# Altium PCB MOTHER_BOARD_LS1021_v1.0.PcbDoc (part 9 of 15)
Units mm, origin at the board's own origin, x right, y up, seen from the top; angles counter-clockwise.
Board outline 285 x 90.6 mm, 10 copper layers (TOP, GND1, SIGNAL1, GND+PWR1, POWER1, POWER2, GND+PWR2, SIGNAL2, GND2, BOTTOM), stack 1.739 mm thick; 1099 components, 832 nets, 4657 pads, 2737 vias.
Unrouted connection lines stored in the file: 7.
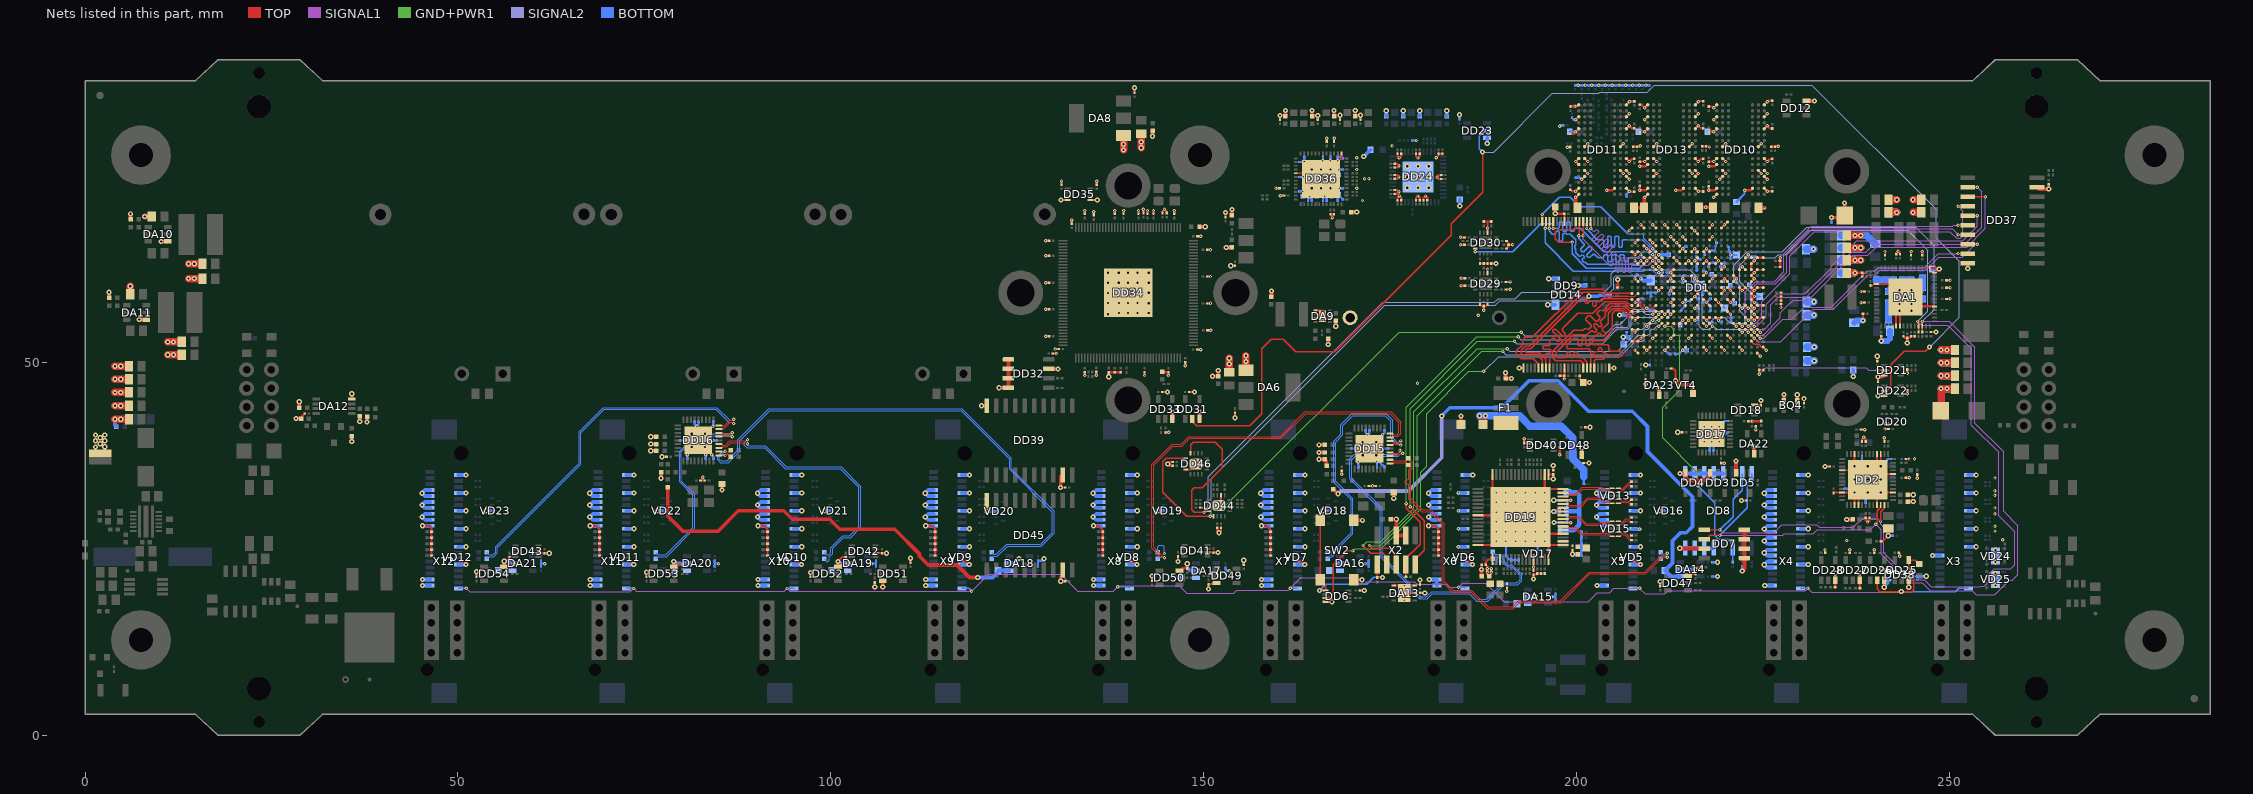
[diagram p17: the nets of this part, all layers, seen from the top]

## Via types
v1: diameter 0.45, hole 0.2, TOP to BOTTOM, tented both sides, 1587 vias
v2: diameter 0.7, hole 0.3, TOP to BOTTOM, tented both sides, 1134 vias
v3: diameter 0.45, hole 0.2, TOP to BOTTOM, tented bottom, 16 vias

## Nets (pads, with @x,y where several pads share a name; then routed paths per layer and width w, separated by ;. In a path a pad name is that pad's centre, name@x,y a point inside that pad or via, vN(x,y) a via of type N, cw(c..) or ccw(c..) an arc to the next point about the centre after c; other vN are vias at no path point) (continued)
GND: (continued)
  BOTTOM w0.5: v2(4,42.375) 4,41.575 R15.2@4.2,41.375 ; v2(45.25,20.1) X12.1@46.275,20.1 ; v2(45.25,20.9) X12.3@46.275,20.9 ; v2(45.25,28.1) X12.21@46.275,28.1 ; X12.23@46.275,28.9 45.55,28.9 v2(45.175,29.275) 45.6,29.7 X12.25@46.275,29.7 ; X12.27@46.275,30.5 45.55,30.5 v2(45.175,30.875) 45.6,31.3 X12.29@46.275,31.3 ; X12.31@46.275,32.1 45.55,32.1 v2(45.175,32.475) 45.6,32.9 X12.33@46.275,32.9 ; X12.10@50.05,22.9 v2(51.075,22.9) ; X12.16@50.075,25.3 v2(51.1,25.3) ; X12.22@50.075,27.7 v2(51.1,27.7) ; X12.28@50.075,30.1 v2(51.1,30.1) ; X12.34@50.075,32.5 v2(51.1,32.5) ; X12.40@50.075,34.9 v2(51.1,34.9) ; v2(53.75,30.1) VD23.3@54.525,30.1 ; v2(56.2,23.35) 57.025,23.35 DA21.2@57.325,23.05 ; v2(67.75,20.1) X11.1@68.775,20.1 ; v2(67.75,20.9) X11.3@68.775,20.9 ; v2(67.75,28.1) X11.21@68.775,28.1 ; X11.23@68.775,28.9 68.05,28.9 v2(67.675,29.275) 68.1,29.7 X11.25@68.775,29.7 ; X11.27@68.775,30.5 68.05,30.5 v2(67.675,30.875) 68.1,31.3 X11.29@68.775,31.3 ; X11.31@68.775,32.1 68.05,32.1 v2(67.675,32.475) 68.1,32.9 X11.33@68.775,32.9 ; X11.10@72.55,22.9 v2(73.575,22.9) ; X11.16@72.575,25.3 v2(73.6,25.3) ; X11.22@72.575,27.7 v2(73.6,27.7) ; X11.28@72.575,30.1 v2(73.6,30.1) ; X11.34@72.575,32.5 v2(73.6,32.5) ; X11.40@72.575,34.9 v2(73.6,34.9) ; v2(76.725,30.1) VD22.3@77.5,30.1 ; v2(78.95,23.325) 79.225,23.05 DA20.2@80.725,23.05 ; v2(90.25,20.1) X10.1@91.275,20.1 ; v2(90.25,20.9) X10.3@91.275,20.9 ; v2(90.25,28.1) X10.21@91.275,28.1 ; X10.23@91.275,28.9 90.55,28.9 v2(90.175,29.275) 90.6,29.7 X10.25@91.275,29.7 ; X10.27@91.275,30.5 90.55,30.5 v2(90.175,30.875) 90.6,31.3 X10.29@91.275,31.3 ; X10.31@91.275,32.1 90.55,32.1 v2(90.175,32.475) 90.6,32.9 X10.33@91.275,32.9 ; X10.10@95.05,22.9 v2(96.075,22.9) ; X10.16@95.075,25.3 v2(96.1,25.3) ; X10.22@95.075,27.7 v2(96.1,27.7) ; X10.28@95.075,30.1 v2(96.1,30.1) ; X10.34@95.075,32.5 v2(96.1,32.5) ; X10.40@95.075,34.9 v2(96.1,34.9) ; v2(99.15,30.1) VD21.3@99.925,30.1 ; v2(100.975,23.325) 101.25,23.05 DA19.2@102.275,23.05 ; v2(112.75,20.1) X9.1@113.775,20.1 ; v2(112.75,20.9) X9.3@113.775,20.9 ; v2(112.75,28.1) X9.21@113.775,28.1 ; X9.23@113.775,28.9 113.05,28.9 v2(112.675,29.275) 113.1,29.7 X9.25@113.775,29.7 ; X9.27@113.775,30.5 113.05,30.5 v2(112.675,30.875) 113.1,31.3 X9.29@113.775,31.3 ; X9.31@113.775,32.1 113.05,32.1 v2(112.675,32.475) 113.1,32.9 X9.33@113.775,32.9 ; X9.10@117.55,22.9 v2(118.575,22.9) ; X9.16@117.575,25.3 v2(118.6,25.3) ; X9.22@117.575,27.7 v2(118.6,27.7) ; X9.28@117.575,30.1 v2(118.6,30.1) ; X9.34@117.575,32.5 v2(118.6,32.5) ; X9.40@117.575,34.9 v2(118.6,34.9) ; v2(120.925,30.025) 120.95,30.05 VD20.3@122.15,30.05 ; DA18.2@123.95,23.05 124.6,23.05 v2(125.25,23.7) ; v2(135.25,20.1) X8.1@136.275,20.1 ; v2(135.25,20.9) X8.3@136.275,20.9 ; v2(135.25,28.1) X8.21@136.275,28.1 ; X8.23@136.275,28.9 135.55,28.9 v2(135.175,29.275) 135.6,29.7 X8.25@136.275,29.7 ; X8.27@136.275,30.5 135.55,30.5 v2(135.175,30.875) 135.6,31.3 X8.29@136.275,31.3 ; X8.31@136.275,32.1 135.55,32.1 v2(135.175,32.475) 135.6,32.9 X8.33@136.275,32.9 ; X8.10@140.05,22.9 v2(141.075,22.9) ; X8.16@140.075,25.3 v2(141.1,25.3) ; X8.22@140.075,27.7 v2(141.1,27.7) ; X8.28@140.075,30.1 v2(141.1,30.1) ; X8.34@140.075,32.5 v2(141.1,32.5) ; X8.40@140.075,34.9 v2(141.1,34.9) ; v2(143.925,30.1) VD19.3@144.7,30.1 ; v2(147.8,23) 147.8,22.5 148.2,22.1 DA17.2@149,22.1 ; v2(157.75,20.1) X7.1@158.775,20.1 ; v2(157.75,20.9) X7.3@158.775,20.9 ; v2(157.75,28.1) X7.21@158.775,28.1 ; X7.23@158.775,28.9 158.05,28.9 v2(157.675,29.275) 158.1,29.7 X7.25@158.775,29.7 ; X7.27@158.775,30.5 158.05,30.5 v2(157.675,30.875) 158.1,31.3 X7.29@158.775,31.3 ; X7.31@158.775,32.1 158.05,32.1 v2(157.675,32.475) 158.1,32.9 X7.33@158.775,32.9 ; X7.10@162.55,22.9 v2(163.575,22.9) ; X7.16@162.575,25.3 v2(163.6,25.3) ; X7.22@162.575,27.7 v2(163.6,27.7) ; X7.28@162.575,30.1 v2(163.6,30.1) ; X7.34@162.575,32.5 v2(163.6,32.5) ; X7.40@162.575,34.9 v2(163.6,34.9) ; v2(164.5,73.375) 165.175,72.7 C414.1@165.175,72.275 ; v2(165.975,30.1) VD18.3@166.75,30.1 ; v2(167,73.375) 167.15,73.225 C415.1@167.15,72.275 167.425,72.55 C413.1@168.1,72.55 ; v2(167,74.625) 167.525,74.625 C416.1@168.1,75.2 ; DA16.2@168.3,23.05 v2(169.25,23.05) ; v2(171.475,77.625) R236.2@172.375,78.525 ; C337.1@174.5,83.025 v2(174.5,83.75) ; C338.1@176.775,83.025 v2(176.775,83.75) ; C336.1@178.975,83.025 v2(178.975,83.75) ; v2(180.175,28.1) X6.21@181.275,28.1 ; v2(180.25,20.9) X6.3@181.275,20.9 X6.1@181.275,20.1 ; X6.23@181.275,28.9 180.55,28.9 v2(180.175,29.275) 180.6,29.7 X6.25@181.275,29.7 ; X6.27@181.275,30.5 180.55,30.5 v2(180.175,30.875) 180.6,31.3 X6.29@181.275,31.3 ; X6.31@181.275,32.1 180.55,32.1 v2(180.175,32.475) 180.6,32.9 X6.33@181.275,32.9 ; C339.1@182.6,83.025 v2(182.6,83.75) ; v1(184.15,25.3) X6.16@185.075,25.3 ; v1(184.15,32.5) X6.34@185.075,32.5 ; v1(184.175,27.7) X6.22@185.075,27.7 ; v1(184.175,30.1) X6.28@185.075,30.1 ; v2(184.35,71) R230.2@184.35,71.875 ; X6.10@185.05,22.9 v2(186.075,22.9) ; X6.40@185.075,34.9 v2(186.1,34.9) ; v2(188.025,79.35) DD23.3@188.025,80.15 ; DA15.2@193.475,18.6 194.479,18.6 v2(194.48,18.599) ; v2(196.15,57.75) C130.1@197.175,57.75 ; v2(196.275,61.225) DD9.3@197.25,61.225 ; v2(196.95,30.025) C319.1@197.65,30.025 ; v2(200.25,60.325) R91.1@201.175,60.325 ; v2(201.685,58.877) 202.927,58.877 203.075,59.025 C115.1@204.45,59.025 ; v2(202.75,20.1) X5.1@203.775,20.1 ; X5.21@203.775,28.1 X5.23@203.775,28.9 203.05,28.9 v2(202.675,29.275) 203.1,29.7 X5.25@203.775,29.7 ; X5.27@203.775,30.5 203.05,30.5 v2(202.675,30.875) 203.1,31.3 X5.29@203.775,31.3 ; X5.31@203.775,32.1 203.05,32.1 v2(202.675,32.475) 203.1,32.9 X5.33@203.775,32.9 ; v2(205.76,56.353) 205.75,56.363 205.75,56.375 206.4,56.375 C114.1@206.5,56.475 ; C140.1@206.35,52.45 206.275,52.525 v2(206.275,53.4) C126.1@206.975,53.4 ; X5.10@207.55,22.9 v2(208.575,22.9) ; X5.16@207.575,25.3 v2(208.6,25.3) ; X5.22@207.575,27.7 207.65,27.625 v1(208.5,27.625) ; X5.28@207.575,30.1 v2(208.6,30.1) ; X5.34@207.575,32.5 v2(208.6,32.5) ; X5.40@207.575,34.9 v2(208.6,34.9) ; v1(208.65,61.25) 208.9,61 C93.1@209.975,61 ; v1@211.075,64.45 C113.1@212.35,64.45 ; v2(211.15,30.1) VD16.3@211.925,30.1 ; v2(213.85,25.1) DD8.8@214.605,25.1 DD8.7@215.875,25.1 DD8.6@217.145,25.1 DD8.5@218.415,25.1 ; v2(213.875,35.1) DD8.9@214.605,35.1 DD8.10@215.875,35.1 DD8.11@217.145,35.1 DD8.12@218.415,35.1 DD8.13@219.685,35.1 ; DA14.2@213.925,22.25 v2(215.95,22.25) ; v1(214.25,51.65) R176.2@214.825,51.65 ; v2(225.25,20.1) X4.1@226.275,20.1 ; X4.7@226.275,22.5 225.55,22.5 v2(225.175,22.875) 225.6,23.3 X4.9@226.275,23.3 ; X4.11@226.275,24.1 225.55,24.1 v2(225.175,24.475) 225.6,24.9 X4.13@226.275,24.9 ; X4.15@226.275,25.7 225.55,25.7 v2(225.175,26.075) 225.6,26.5 X4.17@226.275,26.5 ; X4.19@226.275,27.3 225.55,27.3 v2(225.175,27.675) 225.6,28.1 X4.21@226.275,28.1 ; X4.23@226.275,28.9 225.55,28.9 v2(225.175,29.275) 225.6,29.7 X4.25@226.275,29.7 ; X4.27@226.275,30.5 225.55,30.5 v2(225.175,30.875) 225.6,31.3 X4.29@226.275,31.3 ; X4.31@226.275,32.1 225.55,32.1 v2(225.175,32.475) 225.6,32.9 X4.33@226.275,32.9 ; X4.10@230.05,22.9 v2(231.075,22.9) ; X4.16@230.075,25.3 v2(231.1,25.3) ; X4.22@230.075,27.7 v2(231.1,27.7) ; X4.28@230.075,30.1 v2(231.1,30.1) ; X4.34@230.075,32.5 v2(231.1,32.5) ; X4.40@230.075,34.9 v2(231.1,34.9) ; v2(237.125,48.125) C154.1@237.125,49 ; v2(241.8,26.75) C191.1@241.8,27.725 ; C57.2@247.7,62.525 v2(248.65,62.525) ; v2(247.75,24.1) X3.11@248.775,24.1 ; X3.16@252.575,25.3 v2(253.6,25.3) ; X3.22@252.575,27.7 v2(253.6,27.7) ; X3.28@252.575,30.1 v2(253.6,30.1) ; X3.34@252.575,32.5 v2(253.6,32.5) ; X3.40@252.575,34.9 v2(253.6,34.9)
  BOTTOM w0.75: C131.1@237.25,55.325 237.55,55.625 v2(238.425,55.625) ; v2(240.875,52.875) 241.725,52.875 242.05,53.2 C180.1@242.05,54.225
  BOTTOM w1: C102.1@230.8,65.2 v2(231.8,65.2) ; C101.1@230.85,56.35 v2(231.85,56.35) ; C189.2@230.85,58.15 v2(231.85,58.15) ; C100.2@230.9,50.2 v2(231.9,50.2) ; C157.1@230.9,52.075 v2(231.9,52.075) ; C171.2@235.5,62 v2(237.35,62) ; C159.2@235.5,63.7 v2(237.35,63.7) ; C181.2@235.5,65.375 v2(237.35,65.375) v2(238.125,65.375) ; C146.2@235.5,67.025 v2(237.35,67.025) v2(238.125,67.025) 238.95,67.025 C92.2@240.1,65.875 ; C59.1@240.2,61.05 C58.1@241.375,61.05 C22.1@242.55,61.05 242.55,59.7 ; C61.1@241.85,55.7 C60.1@241.85,56.85 ; C23.1@241.85,58.025 C60.1@241.85,56.85 ; C13.1@241.85,59.525 242.025,59.7 242.55,59.7 ; C166.2@241.85,70.125 v2(242.95,70.125) ; v2(243.325,57.85) v2(243.325,56.925) 243.25,56.85 C60.1@241.85,56.85 ; v2(243.325,59.7) 242.55,59.7 ; C12.1@243.7,61.05 C24.1@244.875,61.05 244.925,61 v2(244.925,59.7) 246.075,59.7 C11.1@246.4,60.025 C21.1@246.4,61.35 ; v2(244.925,57.85) 245.6,58.525 C2.1@246.4,58.525 ; v2(248.9,46.5) v2(249.675,46.5) C186.1@250.775,46.5 ; v2(248.9,48.225) v2(249.675,48.225) C44.1@250.775,48.225 ; v2(248.9,49.95) C47.1@250.775,49.95 ; v2(248.9,51.675) C49.1@250.775,51.675
  other v1: 176.925,18.125 176.35,19.075 191.85,26.025 193.15,26.025 236.271,26.13 257.15,26.225 189.25,27.325 256.125,27.4 256.125,28.05 189.25,28.625 195.75,28.625 256.125,29.725 151.6,30.325 152.55,30.325 256.125,30.475 189.25,31.225 195.75,31.225 151.6,31.275 152.55,31.275 256.125,32.175 189.25,32.525 190.55,32.525 191.85,32.525 193.15,32.525 194.45,32.525 256.125,32.8 256.125,34.5 148.525,36.875 149.475,36.875 245.331,37.108 172.25,38.45 217.125,39.4 219.125,39.4 82.25,39.55 217.125,40.4 218.125,40.4 217.125,41.4 218.125,41.4 178.687,47.208 165.95,55.65 186.827,56.346 223.85,62.05 171.3,71.725 170.525,73.35 171.585,74.625 172.175,74.625 170.55,75.875 170.55,77.475 175.266,79.083
  other v2: 256.2,20.1 256.2,21.7 256.2,23.225 256.2,24.825 237.3,34.3 240.8,34.3 171.35,37.55 173.15,37.55 81.35,38.65 83.15,38.65 1.4,38.675 2.65,38.7 2.025,39.1 171.308,39.302 173.15,39.35 1.4,39.5 2.65,39.5 2.025,39.9 1.4,40.275 2.65,40.275 81.35,40.45 83.15,40.45 137.175,56.475 138.65,56.625 139.875,56.625 141.125,56.625 142.65,56.625 244.925,56.925 142.65,57.95 137.175,57.975 138.65,57.975 139.875,57.975 141.125,57.975 137.175,59.325 138.65,59.325 139.875,59.325 141.125,59.325 142.65,59.35 137.175,60.675 138.625,60.675 139.875,60.675 141.125,60.675 142.65,60.675 137.175,62.025 138.625,62.025 139.875,62.025 141.125,62.025 142.65,62.025 165.75,73.375 177.3,73.425 178.75,73.425 180.2,73.425 164.5,74.625 177.3,74.875 178.75,74.875 180.2,74.875 164.5,75.875 165.75,75.875 167,75.875 177.3,76.325 178.75,76.325 180.2,76.325
  other v3: 190.55,27.325 191.85,27.325 193.15,27.325 190.55,28.625 191.85,28.625 193.15,28.625 194.45,28.625 190.55,29.925 191.85,29.925 193.15,29.925 194.45,29.925 190.55,31.225 191.85,31.225 193.15,31.225 194.45,31.225
GPIO: DD25.4 DD26.2 R238.2 X3.2 X4.2 X5.2 X6.2 X7.2 X8.2 X9.2 X10.2 X11.2 X12.2 | length 231.6
  TOP w0.196: DD26.2@240.325,20.8 240.325,19.632 240.682,19.275 v2(243.55,19.275) 244.968,19.275 245.237,19.544 245.237,21.643 244.575,22.305 DD25.4@244.575,23.5 245.425,23.5 R238.2@245.975,22.95
  SIGNAL1 w0.113: v1(51.115,19.699) 51.575,19.239 73.135,19.239 v1(73.593,19.697) 73.941,19.349 93.795,19.349 v1(94.139,19.693) 94.518,19.315 v1(118.881,19.315) 121.166,21.6 130.825,21.6 133.12,19.305 137.91,19.305 v1(138.507,19.901) 138.678,20.072 146.716,20.072 147.707,19.081 154.038,19.081 154.441,19.484 161.426,19.484 v1(161.641,19.699) 163.042,21.1 170.132,21.1 170.882,20.35 171.625,20.35 171.9,20.625 178.275,20.625 178.65,20.25 182.575,20.25 182.949,19.876 v1(184.184,19.876) 184.725,20.417 187.856,20.417 190.351,17.922 201.615,17.922 202.818,19.125 204.446,19.125 205.021,19.7 v1(208.5,19.7) 208.5,19.675 209.207,18.968 211.857,18.968 212.254,19.365 230.708,19.365 v1(231.043,19.7) 231.524,19.218 243.493,19.218 v2(243.55,19.275)
  BOTTOM w0.196: X12.2@50.075,19.7 v1(51.115,19.699) ; X11.2@72.575,19.7 73.59,19.7 v1(73.593,19.697) ; v1(94.139,19.693) 94.146,19.7 X10.2@95.075,19.7 ; X9.2@117.575,19.7 118.495,19.7 v1(118.881,19.315) ; v1(138.507,19.901) 139.874,19.901 X8.2@140.075,19.7 ; v1@161.642,19.7 X7.2@162.575,19.7 ; v1(184.184,19.876) 184.899,19.876 X6.2@185.075,19.7 ; X5.2@207.575,19.7 v1(208.5,19.7) ; X4.2@230.075,19.7 v1(231.043,19.7) ; v2(243.55,19.275) 250.828,19.275 251.253,19.7 X3.2@252.575,19.7
GPOUT1: DD1.W5 DD37.2 | length 46.8
  TOP w0.196: DD1.W5@221.85,54.45 v1(222.25,54.05) ; DD37.2@252.475,73.495 v1(253.75,73.495)
  SIGNAL1 w0.113: v1(222.25,54.05) 222.65,54.45 225.225,54.45 226.068,55.293 226.068,57.768 227.075,58.775 230.85,58.775 236.85,64.775 238.825,64.775 239.875,65.825 252.05,65.825 254.325,68.1 254.325,72.92 v1(253.75,73.495)
GPOUT2: DD1.AA5 DD37.3 | length 44.7
  TOP w0.196: DD1.AA5@223.45,54.45 v1(223.85,54.05) ; DD37.3@252.475,72.225 v1(254.85,72.225)
  SIGNAL1 w0.113: v1(223.85,54.05) 224.231,53.668 225.027,53.668 227.343,55.985 227.343,56.643 228.343,57.643 228.36,57.643 229.091,58.375 231.1,58.375 237.075,64.35 239.075,64.35 240.175,65.45 252.325,65.45 254.85,67.975 v1(254.85,72.225)
GPOUT3: DD1.Y6 DD37.4 | length 43.2
  TOP w0.196: DD1.Y6@222.65,55.25 v1(223.05,54.85) ; v1(251.175,70.955) DD37.4@252.475,70.955
  SIGNAL1 w0.113: v1(223.05,54.85) 223.468,55.268 224.025,55.268 224.85,56.093 224.85,58.15 228.575,61.875 228.575,64.225 231.881,67.531 250.069,67.531 250.975,66.625 251.475,66.625 251.825,66.975 251.825,70.305 v1(251.175,70.955)
GPOUT4: DD1.AA6 DD37.5 | length 39.8
  TOP w0.196: DD1.AA6@223.45,55.25 v1(223.85,54.85) ; DD37.5@252.475,69.685 v1(253.75,69.685)
  SIGNAL1 w0.113: v1(223.85,54.85) 223.866,54.866 224.166,54.866 225.45,56.15 225.45,57.8 226.85,59.2 230.691,59.2 234.137,62.646 234.137,62.879 237.584,66.325 251.775,66.325 253.75,68.3 v1(253.75,69.685)
GPOUT5: DD1.W6 DD37.6 | length 40.3
  TOP w0.196: DD1.W6@221.85,55.25 v1(222.25,54.85) ; v1(251.175,68.415) DD37.6@252.475,68.415
  SIGNAL1 w0.113: v1(222.25,54.85) 222.668,55.268 222.668,59.45 224.068,60.85 226.541,60.85 227.825,62.134 227.825,64.613 231.487,68.275 250.435,68.275 250.575,68.415 v1(251.175,68.415)
GPOUT6: DD1.Y7 DD37.7 | length 38.9
  TOP w0.196: DD1.Y7@222.65,56.05 v1(223.05,55.65) ; v1(251.175,67.145) DD37.7@252.475,67.145
  SIGNAL1 w0.113: v1(223.05,55.65) 223.45,56.05 223.45,59.825 224.175,60.55 226.645,60.55 228.217,62.123 228.217,64.442 231.675,67.9 250.42,67.9 v1(251.175,67.145)
GPOUT7: DD1.AA4 DD37.8 | length 37.4
  TOP w0.196: DD1.AA4@223.45,53.65 v1(223.85,53.25) ; DD37.8@252.475,65.875 v1(253.75,65.875)
  SIGNAL1 w0.113: v1(223.85,53.25) 224.35,52.75 227.368,52.75 231.739,57.121 234.459,57.121 239.124,61.786 240.15,61.786 240.706,62.343 246.808,62.343 248.598,64.132 251.718,64.132 253.461,65.875 v1(253.75,65.875)
GPOUT8: DD1.AB4 DD37.9 | length 33.1
  TOP w0.196: DD1.AB4@224.25,53.65 v1(224.65,53.25) ; v1(251.175,64.605) DD37.9@252.475,64.605
  SIGNAL1 w0.113: v1(224.65,53.25) 225.132,53.25 227.657,55.775 228.903,55.775 230.535,57.408 234.158,57.408 239.03,62.28 240.064,62.28 240.497,62.713 246.633,62.713 248.524,64.605 v1(251.175,64.605)
HDMI_5V: F1.3 R371.2 VD14.1 | length 22.9
  TOP w0.4: v2(187,42.85) 187,42.325 187.475,41.85 187.8,42.175 v2(187.8,42.85)
  BOTTOM w0.3: 200.984,34.678 200.984,33.716 R371.2@201,33.7
  BOTTOM w1: v2(187,42.85) v2(187.8,42.85) 192.38,42.85 193.766,41.463 197.989,41.463 199.52,39.933 199.52,37.077 200.984,35.612 200.984,34.678
HDMI_DVDD: C311.1 C314.1 C318.1 C320.2 DD19.1 DD19.12 DD19.33 L29.2 | length 7
  TOP w0.3: v1(188.575,22.35) v1(188.575,21.9) 188.575,21.625 C320.2@188.275,21.325 188.025,21.575 v1(188.025,21.9) v1(188.025,22.35) 188.025,22.675 C311.1@187.825,22.875 187.825,23.225 188.175,23.575 DD19.1@188.75,23.575 ; C314.1@194.25,22.1 v1(194.25,22.55) ; v1(194.25,22.55) DD19.12@194.25,23.575 ; DD19.33@196.25,34.975 C318.1@196.9,34.975 v2(196.9,34.375)
HDMI_PVDD: C312.1 C315.2 DD19.18 L26.2
HDMI_TVDD: C313.1 C316.1 C319.2 DD19.23 DD19.29 L28.2 R210.2 | length 15.9
  TOP w0.3: DD19.23@198.2,28.525 v1(199.225,28.525) ; DD19.29@198.2,31.525 v1(199.225,31.525)
  BOTTOM w0.3: v1(199.225,28.525) C316.1@198.775,28.525 198.775,29.9 C319.2@198.65,30.025 198.775,30.15 C313.1@198.775,31.525 v1(199.225,31.525)
  BOTTOM w0.6: R210.2@198.25,27.5 199.625,27.5 200.375,28.25 200.375,30.025 ; C319.2@198.65,30.025 200.375,30.025 ; L28.2@198.775,32.6 200,32.6 200.375,32.225 200.375,30.025
HDMI_TX0_OUT_N: DD19.24 R367.2 VD15.4 VD15.7 | length 10.2
  TOP w0.12: DD19.24@198.2,29.025 198.8,29.025 198.94,29.165 200.204,29.165 201.219,28.15 203.127,28.15 203.342,28.365 204.437,28.365 204.508,28.295 204.508,28.265 204.548,28.225 VD15.7@204.785,28.225 VD15.4@205.665,28.225 205.902,28.225 205.942,28.265 205.942,28.295 206.013,28.365 206.28,28.365 206.705,28.79 207.165,28.79 207.235,28.72 207.235,28.69 207.325,28.6 R367.2@207.375,28.6
HDMI_TX0_OUT_P: DD19.25 R368.2 VD15.5 VD15.6 | length 10.2
  TOP w0.12: DD19.25@198.2,29.525 198.8,29.525 198.94,29.385 200.295,29.385 201.31,28.37 203.036,28.37 203.251,28.585 204.437,28.585 204.508,28.655 204.508,28.685 204.548,28.725 VD15.6@204.785,28.725 VD15.5@205.665,28.725 205.902,28.725 205.942,28.685 205.942,28.655 206.013,28.585 206.189,28.585 206.614,29.01 207.165,29.01 207.235,29.08 207.235,29.11 207.325,29.2 R368.2@207.375,29.2
HDMI_TX1_OUT_N: DD19.27 R369.2 VD13.1 VD13.10 | length 10.1
  TOP w0.12: DD19.27@198.2,30.525 198.8,30.525 198.94,30.665 200.626,30.665 201.586,31.625 203.2,31.625 203.56,31.265 204.437,31.265 204.507,31.195 204.507,31.165 204.547,31.125 VD13.10@204.785,31.125 VD13.1@205.665,31.125 205.902,31.125 205.942,31.165 205.942,31.195 206.013,31.265 206.815,31.265 206.89,31.19 207.165,31.19 207.235,31.12 207.235,31.09 207.325,31 R369.2@207.375,31
HDMI_TX1_OUT_P: DD19.28 R370.2 VD13.2 VD13.9 | length 10.1
  TOP w0.12: DD19.28@198.2,31.025 198.8,31.025 198.94,30.885 200.535,30.885 201.495,31.845 203.291,31.845 203.651,31.485 204.437,31.485 204.507,31.555 204.507,31.585 204.547,31.625 VD13.9@204.785,31.625 VD13.2@205.665,31.625 205.902,31.625 205.942,31.585 205.942,31.555 206.013,31.485 206.906,31.485 206.981,31.41 207.165,31.41 207.235,31.48 207.235,31.51 207.325,31.6 R370.2@207.375,31.6
HDMI_TX2_OUT_N: DD19.30 R372.2 VD13.4 VD13.7 | length 10.3
  TOP w0.12: DD19.30@198.2,32.025 198.8,32.025 198.94,32.165 199.991,32.165 200.856,33.03 203.295,33.03 203.56,32.765 204.437,32.765 204.507,32.695 204.507,32.665 204.547,32.625 VD13.7@204.785,32.625 VD13.4@205.665,32.625 205.902,32.625 205.942,32.665 205.942,32.695 206.013,32.765 206.215,32.765 207.04,33.59 207.165,33.59 207.235,33.52 207.235,33.49 207.325,33.4 R372.2@207.375,33.4
HDMI_TX2_OUT_P: DD19.31 R373.2 VD13.5 VD13.6 | length 10.3
  TOP w0.12: DD19.31@198.2,32.525 198.8,32.525 198.94,32.385 199.9,32.385 200.765,33.25 203.386,33.25 203.651,32.985 204.437,32.985 204.507,33.055 204.507,33.085 204.547,33.125 VD13.6@204.785,33.125 VD13.5@205.665,33.125 205.902,33.125 205.942,33.085 205.942,33.055 206.013,32.985 206.124,32.985 206.949,33.81 207.165,33.81 207.235,33.88 207.235,33.91 207.325,34 R373.2@207.375,34
HDMI_TXC_OUT_N: DD19.21 R365.2 VD15.1 VD15.10 | length 10
  TOP w0.12: DD19.21@198.2,27.525 198.8,27.525 198.94,27.665 199.824,27.665 200.624,26.865 204.437,26.865 204.508,26.795 204.508,26.765 204.548,26.725 VD15.10@204.785,26.725 VD15.1@205.665,26.725 205.902,26.725 205.942,26.765 205.942,26.795 206.013,26.865 206.454,26.865 206.929,26.39 207.19,26.39 207.26,26.32 207.26,26.29 207.35,26.2 R365.2@207.4,26.2
HDMI_TXC_OUT_P: DD19.22 R366.2 VD15.2 VD15.9 | length 10
  TOP w0.12: DD19.22@198.2,28.025 198.8,28.025 198.94,27.885 199.915,27.885 200.715,27.085 204.437,27.085 204.508,27.155 204.508,27.185 204.548,27.225 VD15.9@204.785,27.225 VD15.2@205.665,27.225 205.902,27.225 205.942,27.185 205.942,27.155 206.013,27.085 206.545,27.085 207.02,26.61 207.19,26.61 207.26,26.68 207.26,26.71 207.35,26.8 R366.2@207.4,26.8
HDMI_VREF: C317.1 DD19.3 L27.2
HUB1_USB1_D_N: DD15.1 R127.2 R155.1 | length 57.4
  TOP w0.15: DD15.1@175,36.45 175.31,36.45 175.435,36.575 175.782,36.575 175.894,36.575 177.162,36.575 177.25,36.487 177.25,36.475 R155.1@177.475,36.25 177.659,36.066 177.659,35.813 177.502,35.655 177.502,35.1 177.502,34.825 177.502,34.385 177.392,34.275 177.151,34.275 177.041,34.165 177.041,33.835 177.151,33.725 177.392,33.725 177.502,33.615 177.502,32.76 177.502,31.67 179.196,29.975 180.346,29.975 182.035,28.287 182.035,20.556 182.35,20.241 183.375,19.216 185.815,19.216 188.056,16.975 191.529,16.975 192.329,17.775 197.929,17.775 201.804,21.65 209.279,21.65 211.654,24.025 211.969,24.025 212.119,23.875 v1(212.2,23.875)
  BOTTOM w0.15: R127.2@211.325,23.65 211.55,23.875 211.55,23.887 211.638,23.975 212.019,23.975 212.119,23.875 v1(212.2,23.875)
HUB1_USB1_D_P: DD15.2 R128.2 R154.1 | length 57.4
  TOP w0.15: DD15.2@175,36.95 175.31,36.95 175.435,36.825 175.678,36.825 176.972,36.825 177.162,36.825 177.25,36.913 177.25,36.925 R154.1@177.475,37.15 177.7,36.925 177.7,36.872 177.95,36.622 177.95,35.75 177.752,35.552 177.752,31.773 179.3,30.225 180.45,30.225 182.285,28.39 182.285,20.66 183.479,19.466 185.919,19.466 188.159,17.225 191.425,17.225 192.225,18.025 197.825,18.025 201.7,21.9 209.175,21.9 211.55,24.275 211.969,24.275 212.119,24.425 v1(212.2,24.425)
  BOTTOM w0.15: R128.2@211.325,24.55 211.55,24.325 211.55,24.313 211.638,24.225 211.919,24.225 212.119,24.425 v1(212.2,24.425)
HUB1_USB1_PWR: DA14.1 L18.1 R153.1 | length 80.7
  TOP w0.5: R153.1@167.4,33.025 v2@168.032,32.393
  SIGNAL2 w0.5: v2(168.033,32.393) 168.408,32.768 177.468,32.768 181.934,37.234 v2(181.934,42.827)
  BOTTOM w0.5: v2(181.934,42.827) 181.931,42.83 181.931,42.856 183.005,43.93 190.009,43.93 193.618,47.539 197.509,47.539 201.604,43.444 207.491,43.444 209.52,41.415 209.52,38.049 215.577,31.992 215.577,28.011 214.73,27.164 213.946,27.164 212.888,26.105 212.888,23.113 L18.1@211.875,22.1 212.675,21.3 DA14.1@213.925,21.3
HUB1_USB2_D_N: DD15.3 R129.2 | length 54.2
  TOP w0.15: DD15.3@175,37.45 175.31,37.45 175.435,37.575 175.675,37.575 176.254,37.575 176.552,37.874 176.676,37.874 v1(176.72,37.83)
  BOTTOM w0.15: v1(176.72,37.83) 176.663,37.772 176.451,37.772 176.104,37.425 174.047,37.425 173.397,38.075 172.9,38.075 172.625,37.8 171.842,37.8 171.567,38.075 170.975,38.075 169.866,36.966 169.866,34.5 173.925,30.44 173.925,24.029 177.68,20.275 177.68,19.92 179.037,18.562 179.882,18.562 180.145,18.825 180.146,18.825 180.567,19.246 185.758,19.246 186.754,18.25 188,18.25 190.2,20.45 192.02,20.45 192.432,20.862 192.432,21.47 191.316,22.586 190.712,22.586 189.878,23.42 189.878,23.834 189.76,23.952 189.508,23.952 189.4,23.844 189.4,23.2 189.217,23.017 188.933,23.017 188.75,23.2 R129.2@188.75,23.7